# KiCad board RadCheck-SDRAM.kicad_pcb
title: RadCheck-SDRAM(CanSat 2025 Competition)-Demo; date: 2025-06-03; rev: 2.0; company: Robotics
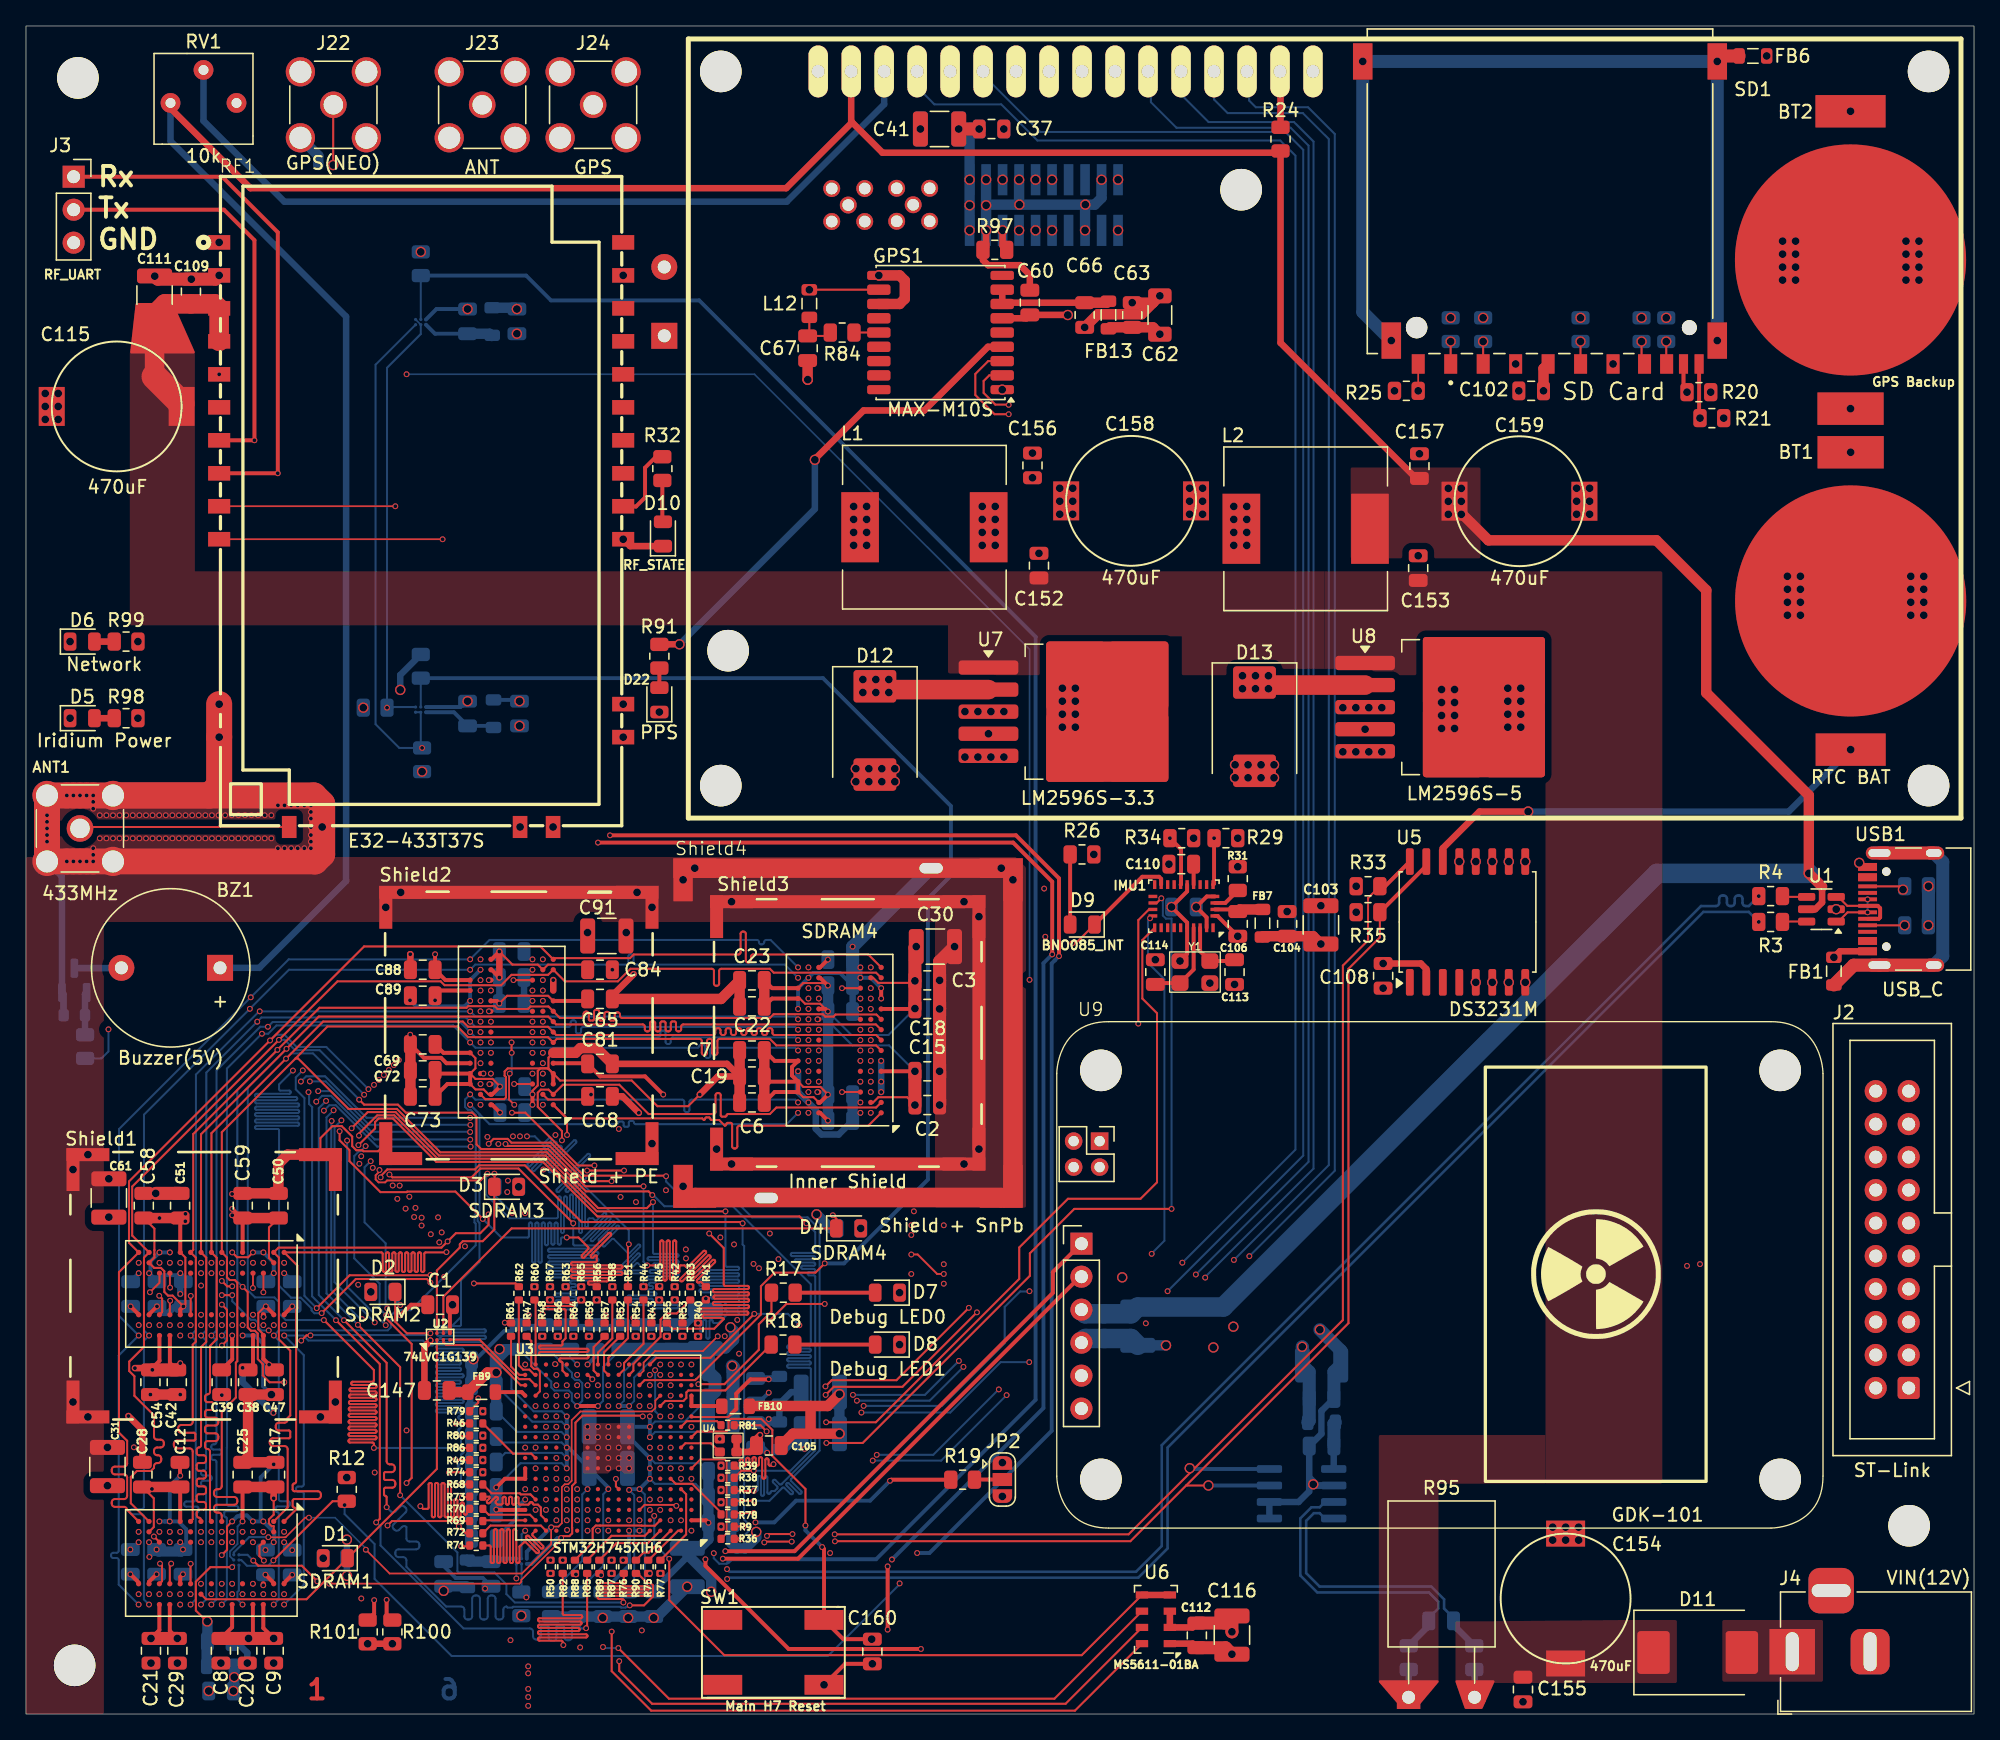
[diagram p0: board, top side]
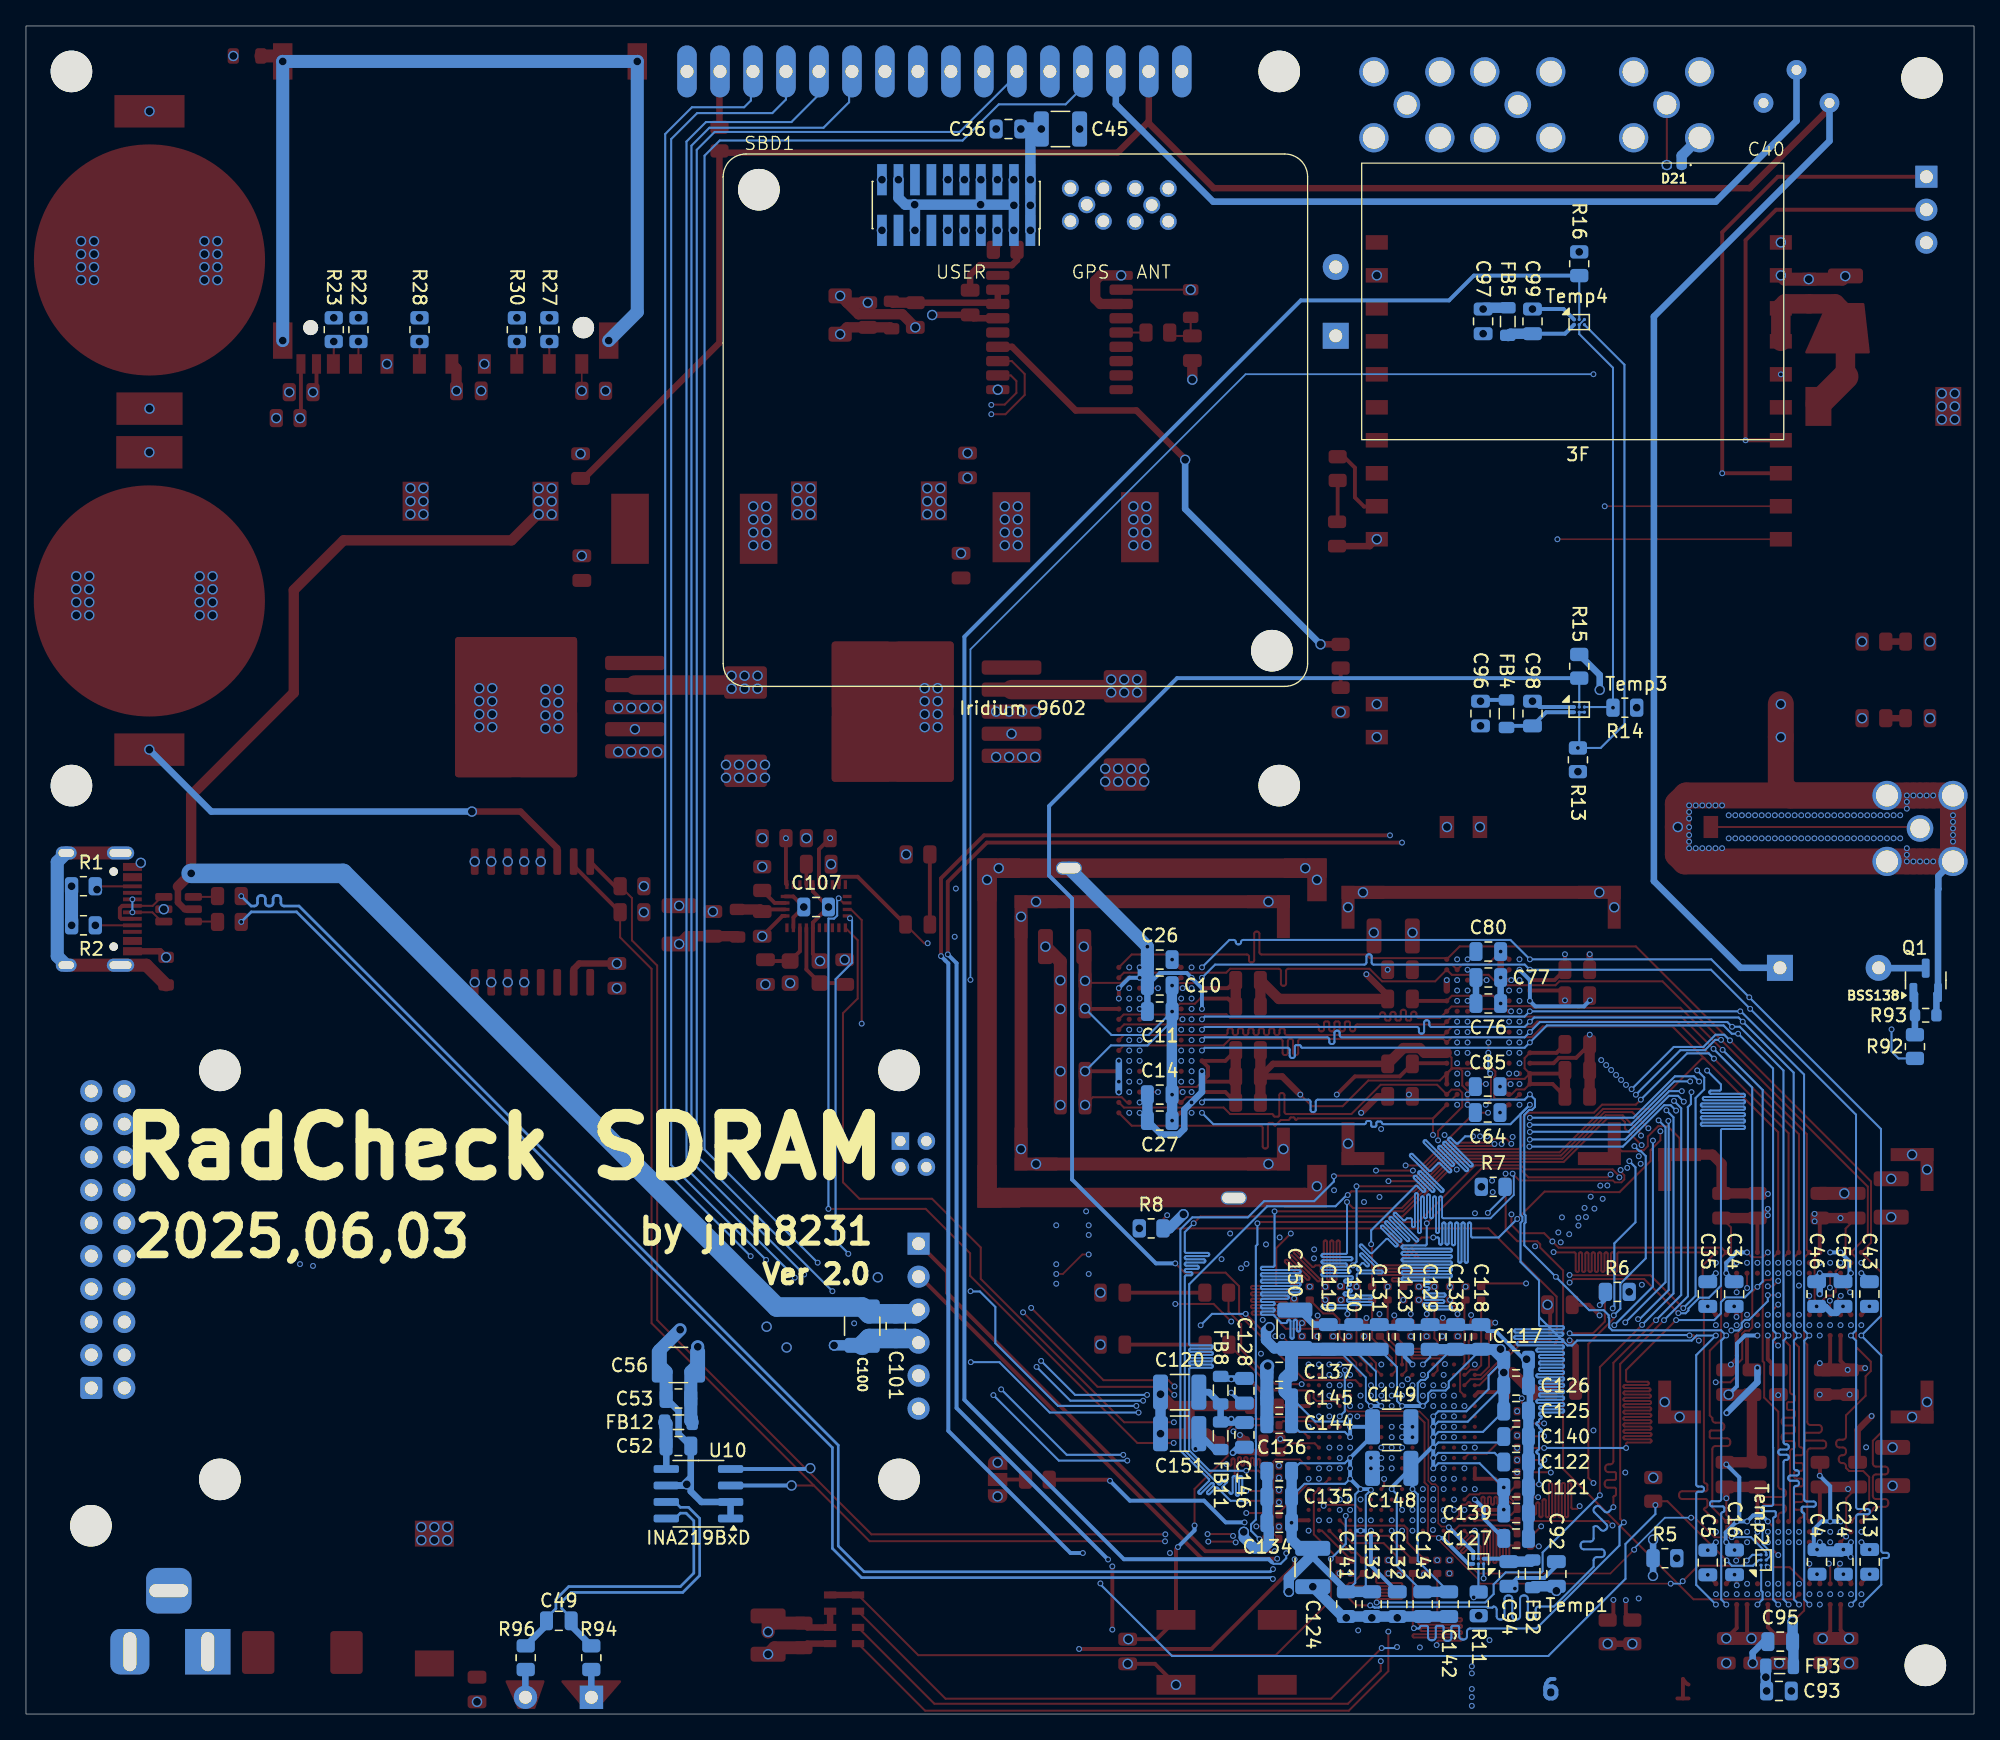
[diagram p1: board, bottom side, seen from below]

Outline 150 x 130 mm; copper layers: Top, In1.Cu (plane), In2.Cu (plane), In3.Cu, In4.Cu (plane), Bottom. Coordinates in mm from the lower left corner of the outline.
Outline path: rectangle 0,130 150,0
Stack: Top 0.035mm / dielectric 0.0994mm FR4 er 4.1 / In1.Cu 0.0152mm / dielectric 0.55mm FR4 er 4.6 / In2.Cu 0.0152mm / dielectric 0.1088mm FR4 er 4.16 / In3.Cu 0.0152mm / dielectric 0.55mm FR4 er 4.6 / In4.Cu 0.0152mm / dielectric 0.0994mm FR4 er 4.1 / Bottom 0.035mm

## Placement (name value [footprint] x y rotation side)
ANT1  433MHz  [SMA_Amphenol_132134-11_Vertical]  4.16 68.2 0 top
BT1  RTC BAT  [BAT-HLD-001]  140.5 85.72 90 top
BT2  GPS Backup  [BAT-HLD-001]  140.49 111.98 270 top
BZ1  Buzzer(5V)  [Buzzer_12x9.5RM7.6]  14.95 57.46 180 top
C1  0.1uF  [C_0805_2012Metric]  31.89 31.52 0 top
C2  0.1uF  [C_0805_2012Metric]  69.4 46.9 0 top
C3  0.1uF  [C_0805_2012Metric]  69.4 56.5 0 top
C4  0.1uF  [C_0805_2012Metric]  12.09 11.72 90 bottom
C5  0.1uF  [C_0805_2012Metric]  20.5 11.67 90 bottom
C6  0.1uF  [C_0805_2012Metric]  55.9 47.1 180 top
C7  0.1uF  [C_0805_2012Metric]  55.9 51.1 180 top
C8  0.1uF  [C_0805_2012Metric]  15.01 4.87 270 top
C9  0.1uF  [C_0805_2012Metric]  19.07 4.87 270 top
C10  0.1uF  [C_0805_2012Metric]  62.7 56.1 0 bottom
C11  0.1uF  [C_0805_2012Metric]  62.7 54.1 0 bottom
C12  0.1uF  [C_0805_2012Metric]  11.86 18.44 90 top
C13  0.1uF  [C_0805_2012Metric]  8.03 11.72 90 bottom
C14  0.1uF  [C_0805_2012Metric]  62.7 47.7 0 bottom
C15  0.1uF  [C_0805_2012Metric]  69.4 49.5 0 top
C16  0.1uF  [C_0805_2012Metric]  18.44 11.68 90 bottom
C17  0.1uF  [C_0805_2012Metric]  19.18 18.44 90 top
C18  0.1uF  [C_0805_2012Metric]  69.4 54.3 0 top
C19  0.1uF  [C_0805_2012Metric]  55.9 49.1 180 top
C20  0.1uF  [C_0805_2012Metric]  17.04 4.87 270 top
C21  0.1uF  [C_0805_2012Metric]  9.63 4.87 270 top
C22  0.1uF  [C_0805_2012Metric]  55.9 54.5 180 top
C23  0.1uF  [C_0805_2012Metric]  55.9 56.5 180 top
C24  0.1uF  [C_0805_2012Metric]  10.06 11.72 90 bottom
C25  0.1uF  [C_0805_2012Metric]  16.69 18.44 90 top
C26  0.1uF  [C_0805_2012Metric]  62.7 58.1 0 bottom
C27  0.1uF  [C_0805_2012Metric]  62.7 45.7 0 bottom
C28  0.1uF  [C_0805_2012Metric]  8.97 18.44 90 top
C29  0.1uF  [C_0805_2012Metric]  11.66 4.87 270 top
C30  10uF  [C_1210_3225Metric]  70.02 59.1 0 top
C31  10uF  [C_1210_3225Metric]  6.27 19.06 90 top
C34  0.1uF  [C_0805_2012Metric]  18.47 32.34 90 bottom
C35  0.1uF  [C_0805_2012Metric]  20.5 32.34 90 bottom
C36  0.1uF  [C_0805_2012Metric]  74.34 122.06 180 bottom
C37  0.1uF  [C_0805_2012Metric]  74.34 122.06 0 top
C38  0.1uF  [C_0805_2012Metric]  17.1 25.55 270 top
C39  0.1uF  [C_0805_2012Metric]  15.07 25.55 270 top
C40  3F  [PTV-6R0H505-R]  14.65 119.44 270 bottom
C41  10uF  [C_1210_3225Metric]  70.34 122.06 0 top
C42  0.1uF  [C_0805_2012Metric]  11.61 25.55 270 top
C43  0.1uF  [C_0805_2012Metric]  8.06 32.34 90 bottom
C45  10uF  [C_1210_3225Metric]  70.34 122.06 180 bottom
C46  0.1uF  [C_0805_2012Metric]  12.12 32.34 90 bottom
C47  0.1uF  [C_0805_2012Metric]  19.13 25.55 270 top
C49  0.1uF  [C_0805_2012Metric]  108.97 7.18 0 bottom
C50  0.1uF  [C_0805_2012Metric]  19.44 39.15 90 top
C51  0.1uF  [C_0805_2012Metric]  11.87 39.15 90 top
C52  0.1uF  [C_0805_2012Metric]  99.76 20.64 180 bottom
C53  0.01uF  [C_0805_2012Metric]  99.76 24.3 0 bottom
C54  0.1uF  [C_0805_2012Metric]  9.58 25.55 270 top
C55  0.1uF  [C_0805_2012Metric]  10.09 32.34 90 bottom
C56  10uF  [C_1210_3225Metric]  99.76 26.88 0 bottom
C58  0.1uF  [C_0805_2012Metric]  9.07 39.15 90 top
C59  0.1uF  [C_0805_2012Metric]  16.69 39.15 90 top
C60  1uF  [C_0805_2012Metric]  77.3 108.7 270 top
C61  10uF  [C_1210_3225Metric]  6.38 39.74 90 top
C62  10uF  [C_1206_3216Metric]  87.31 107.74 270 top
C63  0.1uF  [C_0805_2012Metric]  85.18 107.74 270 top
C64  0.1uF  [C_0805_2012Metric]  37.45 46.32 0 bottom
C65  0.1uF  [C_0805_2012Metric]  44.2 55.07 0 top
C66  0.1uF  [C_0805_2012Metric]  81.52 107.74 90 top
C67  0.01uF  [C_0805_2012Metric]  60.19 105.18 270 top
C68  0.1uF  [C_0805_2012Metric]  44.2 47.57 0 top
C69  0.1uF  [C_0805_2012Metric]  30.55 51.57 180 top
C72  0.1uF  [C_0805_2012Metric]  30.55 49.57 180 top
C73  0.1uF  [C_0805_2012Metric]  30.55 47.57 180 top
C76  0.1uF  [C_0805_2012Metric]  37.4 54.72 0 bottom
C77  0.1uF  [C_0805_2012Metric]  37.4 56.72 0 bottom
C80  0.1uF  [C_0805_2012Metric]  37.4 58.72 0 bottom
C81  0.1uF  [C_0805_2012Metric]  44.2 50.07 0 top
C84  0.1uF  [C_0805_2012Metric]  44.2 57.32 0 top
C85  0.1uF  [C_0805_2012Metric]  37.45 48.32 0 bottom
C88  0.1uF  [C_0805_2012Metric]  30.55 57.32 180 top
C89  0.1uF  [C_0805_2012Metric]  30.55 55.32 180 top
C91  10uF  [C_1210_3225Metric]  44.72 59.92 0 top
C92  0.1uF  [C_0805_2012Metric]  32.16 10.79 270 bottom
C93  0.1uF  [C_0805_2012Metric]  15.02 1.77 0 bottom
C94  0.1uF  [C_0805_2012Metric]  35.81 10.79 270 bottom
C95  0.1uF  [C_0805_2012Metric]  14.92 5.57 0 bottom
C96  0.1uF  [C_0805_2012Metric]  38 77.05 90 bottom
C97  0.1uF  [C_0805_2012Metric]  37.8 107.25 90 bottom
C98  0.1uF  [C_0805_2012Metric]  34 77.05 90 bottom
C99  0.1uF  [C_0805_2012Metric]  34 107.25 90 bottom
C100  10uF  [C_1210_3225Metric]  85.61 29.87 270 bottom
C101  0.1uF  [C_0805_2012Metric]  83.03 29.87 270 bottom
C102  0.1uF  [C_0805_2012Metric]  115.9 101.9 180 top
C103  10uF  [C_1210_3225Metric]  99.71 60.77 90 top
C104  0.01uF  [C_0805_2012Metric]  97.11 60.85 270 top
C105  0.1uF  [C_0805_2012Metric]  57.2 20.68 0 top
C106  0.1uF  [C_0805_2012Metric]  93.31 60.85 270 top
C107  0.1uF  [C_0805_2012Metric]  89.16 62.15 180 bottom
C108  0.1uF  [C_0805_2012Metric]  104.5 56.85 90 top
C109  0.1uF  [C_0805_2012Metric]  12.7 109.55 90 top
C110  0.1uF  [C_0805_2012Metric]  88.96 65.45 0 top
C111  10uF  [C_1210_3225Metric]  9.9 109.28 90 top
C112  0.1uF  [C_0805_2012Metric]  90.16 6.06 90 top
C113  22pF  [C_0805_2012Metric]  93.06 57.14 270 top
C114  22pF  [C_0805_2012Metric]  86.96 57.14 90 top
C115  470uF  [MVG25WV470M]  7.08 101.13 180 top
C116  10uF  [C_1210_3225Metric]  92.86 6.08 90 top
C117  1uF  [C_0805_2012Metric]  35.26 27.25 0 bottom
C118  0.1uF  [C_0805_2012Metric]  37.96 29.04 90 bottom
C119  0.1uF  [C_0805_2012Metric]  49.72 29.04 90 bottom
C120  10uF  [C_1210_3225Metric]  61.16 24.79 0 bottom
C121  0.1uF  [C_0805_2012Metric]  35.26 17.45 180 bottom
C122  0.1uF  [C_0805_2012Metric]  35.26 19.41 180 bottom
C123  2.2uF  [C_0805_2012Metric]  43.84 29.04 270 bottom
C124  10uF  [C_1210_3225Metric]  50.92 11.28 90 bottom
C125  0.1uF  [C_0805_2012Metric]  35.26 23.33 180 bottom
C126  0.1uF  [C_0805_2012Metric]  35.26 25.29 180 bottom
C127  2.2uF  [C_0805_2012Metric]  35.26 13.52 0 bottom
C128  0.1uF  [C_0805_2012Metric]  56.18 24.89 270 bottom
C129  0.1uF  [C_0805_2012Metric]  41.88 29.04 90 bottom
C130  0.1uF  [C_0805_2012Metric]  47.76 29.04 90 bottom
C131  0.1uF  [C_0805_2012Metric]  45.8 29.04 270 bottom
C132  2.2uF  [C_0805_2012Metric]  44.41 8.46 90 bottom
C133  0.1uF  [C_0805_2012Metric]  46.38 8.46 270 bottom
C134  0.1uF  [C_0805_2012Metric]  53.5 14.73 0 bottom
C135  0.1uF  [C_0805_2012Metric]  53.5 16.73 0 bottom
C136  0.1uF  [C_0805_2012Metric]  53.5 18.69 0 bottom
C137  0.1uF  [C_0805_2012Metric]  53.5 26.35 0 bottom
C138  0.1uF  [C_0805_2012Metric]  39.92 29.04 90 bottom
C139  0.1uF  [C_0805_2012Metric]  35.26 15.48 180 bottom
C140  0.1uF  [C_0805_2012Metric]  35.26 21.37 180 bottom
C141  0.1uF  [C_0805_2012Metric]  48.34 8.46 270 bottom
C142  0.1uF  [C_0805_2012Metric]  40.45 8.46 270 bottom
C143  0.1uF  [C_0805_2012Metric]  42.45 8.46 270 bottom
C144  0.1uF  [C_0805_2012Metric]  53.5 22.35 0 bottom
C145  0.1uF  [C_0805_2012Metric]  53.5 24.35 0 bottom
C146  0.1uF  [C_0805_2012Metric]  56.18 21.5 270 bottom
C147  0.1uF  [C_0805_2012Metric]  31.63 24.92 180 top
C148  10uF  [C_1210_3225Metric]  44.84 18.92 0 bottom
C149  10uF  [C_1210_3225Metric]  44.84 22.12 180 bottom
C150  10uF  [C_1210_3225Metric]  52.3 29.63 90 bottom
C151  10uF  [C_1210_3225Metric]  61.16 21.59 0 bottom
C152  0.1uF  [C_0805_2012Metric]  78 88.44 90 top
C153  0.1uF  [C_0805_2012Metric]  107.2 88.25 90 top
C154  470uF  [MVG25WV470M]  118.98 8.8 90 top
C155  0.1uF  [C_0805_2012Metric]  115.27 1.89 270 top
C156  0.1uF  [C_0805_2012Metric]  77.5 96.16 90 top
C157  0.1uF  [C_0805_2012Metric]  107.3 96.1 90 top
C158  470uF  [MVG25WV470M]  85 93 0 top
C159  470uF  [MVG25WV470M]  114.91 92.97 0 top
C160  0.1uF  [C_0805_2012Metric]  65.17 4.82 270 top
D1  SDRAM1  [LED_0805_2012Metric]  23.82 12 180 top
D2  SDRAM2  [LED_0805_2012Metric]  27.49 32.51 180 top
D3  SDRAM3  [LED_0805_2012Metric]  37 40.6 0 top
D4  SDRAM4  [LED_0805_2012Metric]  63.34 37.4 0 top
D5  Iridium Power  [LED_0805_2012Metric]  4.33 76.69 0 top
D6  Network  [LED_0805_2012Metric]  4.33 82.59 0 top
D7  Debug LED0  [LED_0805_2012Metric]  66.33 32.45 180 top
D8  Debug LED1  [LED_0805_2012Metric]  66.33 28.45 180 top
D9  BNO085_INT  [LED_0805_2012Metric]  81.34 60.8 180 top
D10  RF_STATE  [LED_0805_2012Metric]  49.05 90.88 90 top
D11  SS54  [D_SMC]  128.72 4.74 0 top
D12  SS54  [D_SMC]  65.37 75.75 270 top
D13  SS54  [D_SMC]  94.6 76.04 270 top
D21  PESD0402-140  [D_0402_1005Metric_Pad0.77x0.64mm_HandSolder]  23.08 119.29 0 bottom
D22  PPS  [LED_0805_2012Metric]  48.77 78.1 90 top
DS1  CLCD 2004  [LCD-20x4]  100 99 0 top
FB1  Bead  [L_0805_2012Metric]  139.21 57.21 90 top
FB2  Bead  [L_0805_2012Metric]  33.99 10.8 90 bottom
FB3  Bead  [L_0805_2012Metric]  14.97 3.67 180 bottom
FB4  Bead  [L_0805_2012Metric]  36 77.04 270 bottom
FB5  Bead  [L_0805_2012Metric]  35.9 107.24 270 bottom
FB6  Bead  [L_0805_2012Metric]  132.97 127.69 0 top
FB7  Bead  [L_0805_2012Metric]  95.21 60.9 90 top
FB8  Bead  [L_0805_2012Metric]  58.01 24.94 90 bottom
FB9  Bead  [L_0805_2012Metric]  35.08 24.79 180 top
FB10  Bead  [L_0805_2012Metric]  54.64 23.7 0 top
FB11  Bead  [L_0805_2012Metric]  58.01 21.43 270 bottom
FB12  Bead  [L_0805_2012Metric]  99.76 22.47 180 bottom
FB13  Bead  [L_0805_2012Metric]  83.35 107.74 90 top
GPS1  MAX-M10S  [ublox_MAX]  70.42 106.39 180 top
IMU1  BNO085  [LGA-28_5.2x3.8mm_P0.5mm]  89.16 62.21 180 top
J2  ST-Link  [IDC-Header_2x10_P2.54mm_Vertical]  144.97 25.11 180 top
J3  RF_UART  [PinSocket_1x03_P2.54mm_Vertical]  3.67 118.39 0 top
J4  VIN(12V)  [BarrelJack_Horizontal]  136 4.8 180 top
J22  GPS(NEO)  [SMA_Amphenol_132134-11_Vertical]  23.67 123.93 0 top
J23  ANT  [SMA_Amphenol_132134-11_Vertical]  35.13 123.93 0 top
J24  GPS  [SMA_Amphenol_132134-11_Vertical]  43.67 123.93 0 top
JP2  BOOT Mode  [SolderJumper-3_P1.3mm_Open_RoundedPad1.0x1.5mm]  75.18 18.06 270 top
L1  100uH  [L_12x12mm_H8mm]  69.18 91.4 0 top
L2  100uH  [L_12x12mm_H8mm]  98.54 91.28 0 top
L12  27nH  [L_0805_2012Metric]  60.32 108.62 90 top